# Altium PCB MainPCB.PcbDoc (part 3 of 3)
Units mil, origin at the board's own origin, x right, y up, seen from the top; angles counter-clockwise.
Board outline 3543.31 x 3543.31 mil, 2 copper layers (Top Layer, Bottom Layer); 134 components, 141 nets, 686 pads, 3686 vias.
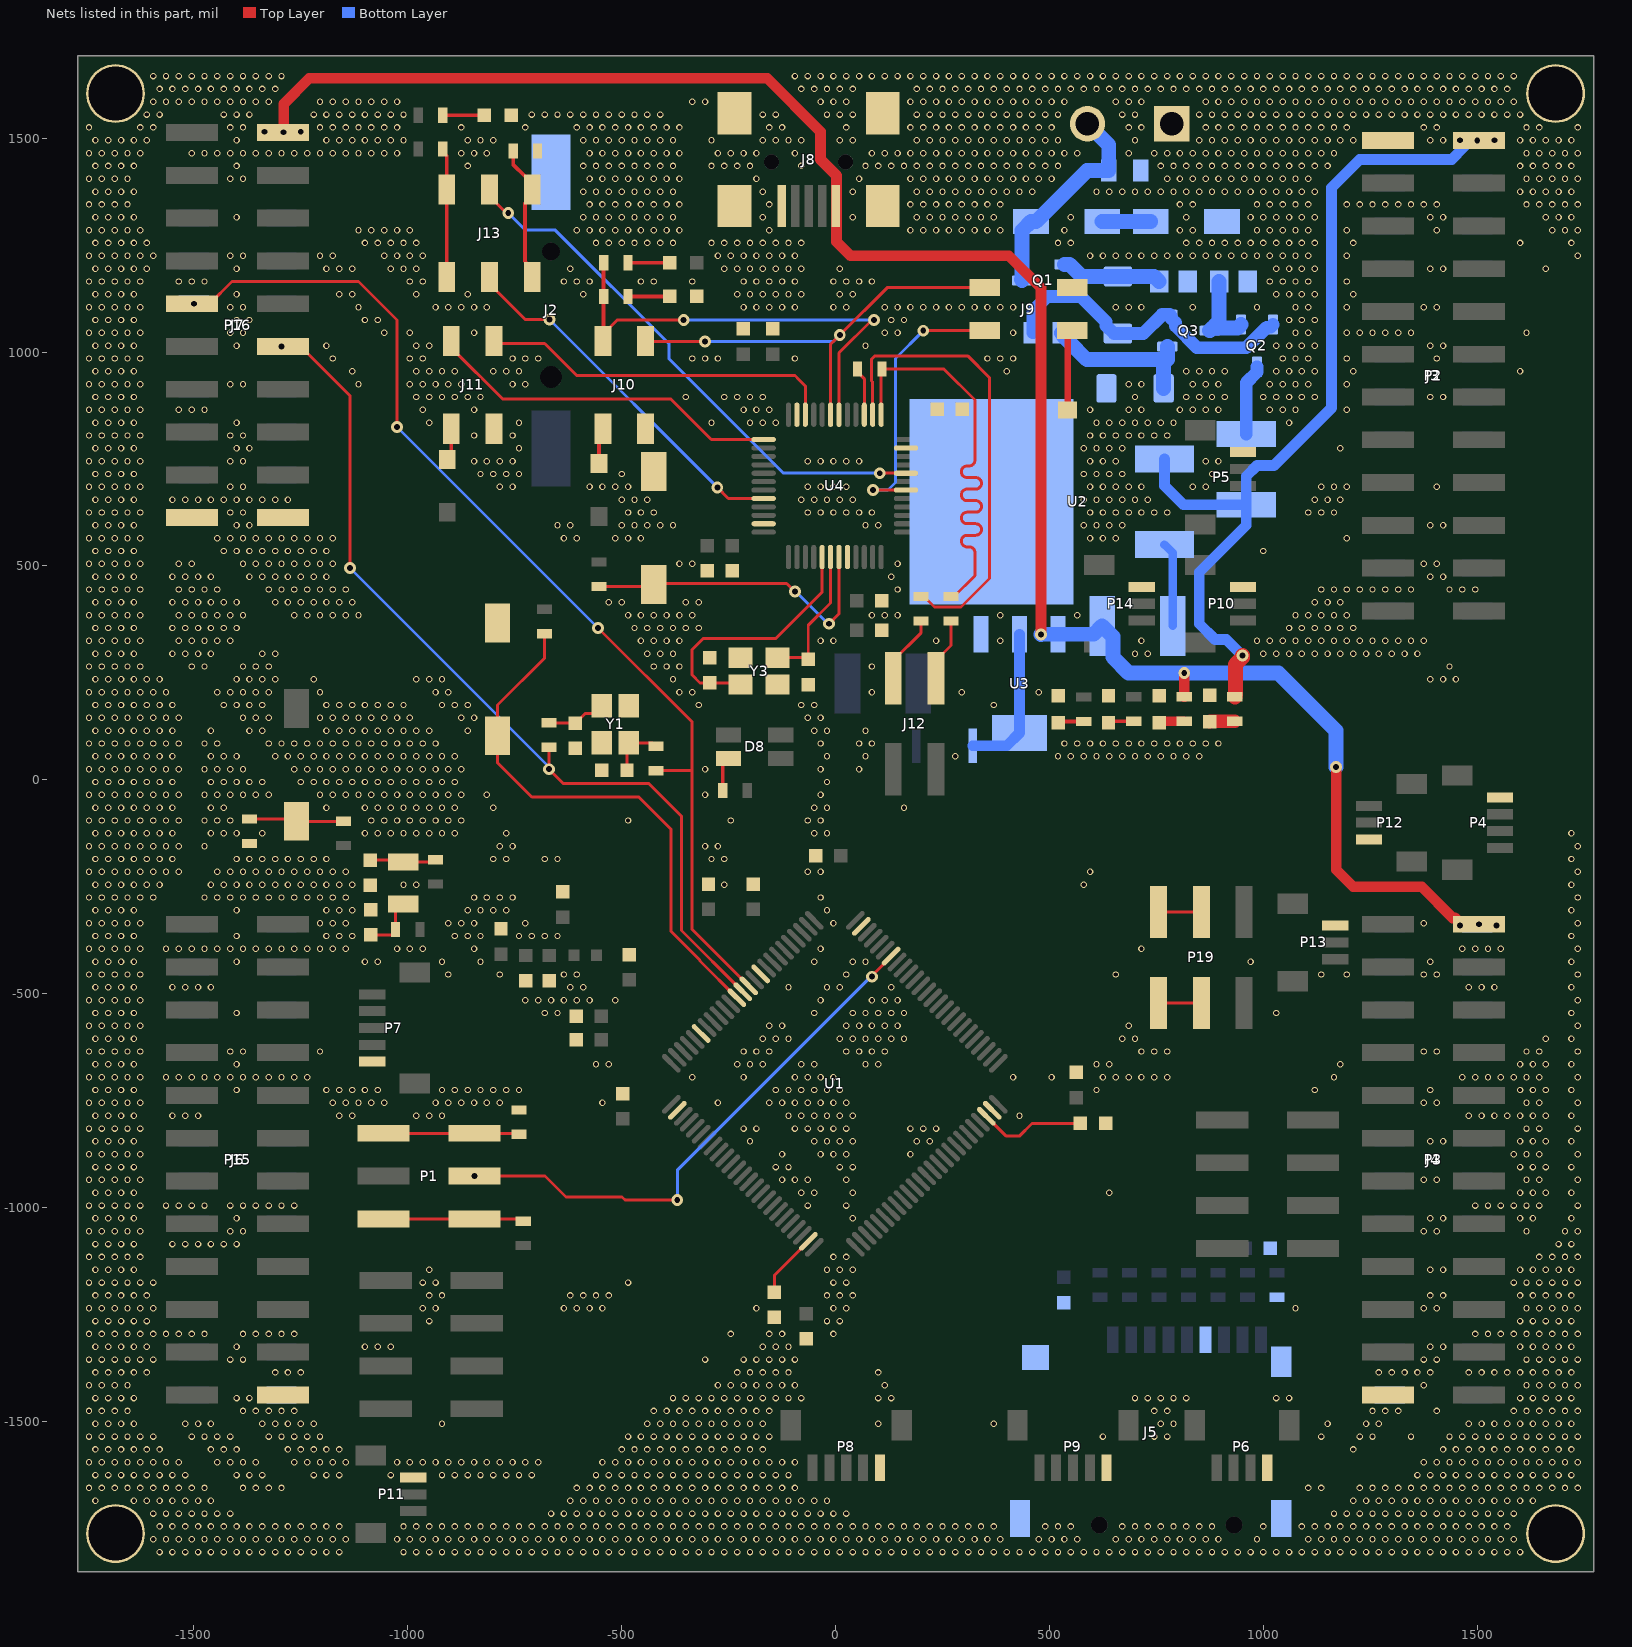
[diagram p3: the nets of this part, all layers, seen from the top]

## Via types
v1: diameter 15/15 (per signal layer), hole 10, Top Layer to Bottom Layer, tented both sides, 3436 vias
v2: diameter 27.56, hole 13.78, Top Layer to Bottom Layer, 250 vias

## Nets (pads, with @x,y where several pads share a name; then routed paths per layer and width w, separated by ;. In a path a pad name is that pad's centre, name@x,y a point inside that pad or via, vN(x,y) a via of type N, cw(c..) or ccw(c..) an arc to the next point about the centre after c; other vN are vias at no path point) (continued)
GND: C1.1 C2.1 C3.1 C4.1 C5.1 C6.1 C7.1 C8.1 C9.1 C10.1 C11.1 C12.1 C13.1 C14.1 C15.1 C16.1 C17.1 C18.1 C19.1 C20.1 C21.1 C22.1 C23.1 C24.1 C25.1 C26.1 C27.1 C28.1 C29.1 C30.1 C31.1 C32.1 D1.1 D4.C D5.A D6.1 D7.1 D9.1 D14.1 D15.1 J1.1 J2.N J3.23 J4.24 J5.6 J5.G1 J5.G2 J5.G3 J5.G4 J6.23 J7.19 J7.20 J8.5 J8.Shell J9.4 J10.4 J11.4 P2.24 P3.23 P4.4 P5.4 P6.4 P7.5 P8.5 P9.5 P10.3 P11.3 P12.3 P13.3 P14.3 P15.24 P16.19 P16.20 R3.1 R10.1 R12.1 R13.1 R22.1 R31.1 Scr1.1 Scr2.1 Scr3.1 Scr4.1 SW2.1 SW3.1 U1.10 U1.20 U1.27 U1.74 U1.99 U2.3 U3.1 U4.8 U4.23 U4.35 U4.47 Y1.2 Y1.4 Y3.2 Y3.4
  other v1: -1580,-1805 -1550,-1805 -1520,-1805 -1490,-1805 -1460,-1805 -1430,-1805 -1400,-1805 -1370,-1805 -1340,-1805 -1310,-1805 -1280,-1805 -1250,-1805 -1220,-1805 -1190,-1805 -1160,-1805 -1010,-1805 -980,-1805 -950,-1805 -920,-1805 -890,-1805 -860,-1805 -830,-1805 -800,-1805 -770,-1805 -740,-1805 -710,-1805 -680,-1805 -650,-1805 -620,-1805 -590,-1805 -560,-1805 -530,-1805 -500,-1805 -470,-1805 -440,-1805 -410,-1805 -380,-1805 -350,-1805 -320,-1805 -290,-1805 -260,-1805 -230,-1805 -200,-1805 -170,-1805 -140,-1805 -110,-1805 -80,-1805 -50,-1805 -20,-1805 10,-1805 40,-1805 70,-1805 100,-1805 130,-1805 160,-1805 190,-1805 220,-1805 250,-1805 280,-1805 310,-1805 340,-1805 370,-1805 400,-1805 430,-1805 460,-1805 490,-1805 520,-1805 550,-1805 580,-1805 610,-1805 640,-1805 670,-1805 700,-1805 730,-1805 760,-1805 790,-1805 820,-1805 850,-1805 880,-1805 910,-1805 940,-1805 970,-1805 1000,-1805 1030,-1805 1060,-1805 1090,-1805 1120,-1805 1150,-1805 1180,-1805 1210,-1805 1240,-1805 1270,-1805 1300,-1805 1330,-1805 1360,-1805 1390,-1805 1420,-1805 1450,-1805 1480,-1805 1510,-1805 1540,-1805 1570,-1805 1600,-1805 -1595,-1775 -1565,-1775 -1535,-1775 -1505,-1775 -1475,-1775 -1445,-1775 -1415,-1775 -1385,-1775 -1355,-1775 -1325,-1775 -1295,-1775 -1265,-1775 -1235,-1775 -1205,-1775 -1175,-1775 -1145,-1775 -1025,-1775 -995,-1775 -965,-1775 -935,-1775 -905,-1775 -875,-1775 -845,-1775 -815,-1775 -785,-1775 -755,-1775 -725,-1775 -695,-1775 -665,-1775 -635,-1775 -605,-1775 -575,-1775 -545,-1775 -515,-1775 -485,-1775 -455,-1775 -425,-1775 -395,-1775 -365,-1775 -335,-1775 -305,-1775 -275,-1775 -245,-1775 -215,-1775 -185,-1775 -155,-1775 -125,-1775 -95,-1775 -65,-1775 -35,-1775 -5,-1775 25,-1775 55,-1775 85,-1775 115,-1775 145,-1775 175,-1775 205,-1775 235,-1775 265,-1775 295,-1775 325,-1775 355,-1775 385,-1775 475,-1775 505,-1775 535,-1775 565,-1775 655,-1775 685,-1775 715,-1775 745,-1775 775,-1775 805,-1775 835,-1775 865,-1775 895,-1775 985,-1775 1105,-1775 1135,-1775 1165,-1775 1195,-1775 1225,-1775 1255,-1775 1285,-1775 1315,-1775 1345,-1775 1375,-1775 1405,-1775 1435,-1775 1465,-1775 1495,-1775 1525,-1775 1555,-1775 1585,-1775 -1580,-1745 -1550,-1745 -1520,-1745 -1490,-1745 -1460,-1745 -1430,-1745 -1400,-1745 -1370,-1745 -1340,-1745 -1310,-1745 -1280,-1745 -1250,-1745 -1220,-1745 -1190,-1745 -1160,-1745 -1010,-1745 -980,-1745 -950,-1745 -920,-1745 -890,-1745 -860,-1745 -830,-1745 -800,-1745 -770,-1745 -740,-1745 -710,-1745 -680,-1745 -650,-1745 -620,-1745 -590,-1745 -560,-1745 -530,-1745 -500,-1745 -470,-1745 -440,-1745 -410,-1745 -380,-1745 -350,-1745 -320,-1745 -290,-1745 -260,-1745 -230,-1745 -200,-1745 -170,-1745 -140,-1745 -110,-1745 -80,-1745 -50,-1745 -20,-1745 10,-1745 40,-1745 70,-1745 100,-1745 130,-1745 160,-1745 190,-1745 220,-1745 250,-1745 280,-1745 310,-1745 340,-1745 370,-1745 490,-1745 520,-1745 550,-1745 670,-1745 700,-1745 730,-1745 760,-1745 790,-1745 820,-1745 850,-1745 880,-1745 1000,-1745 1090,-1745 1120,-1745 1150,-1745 1180,-1745 1210,-1745 1240,-1745 1270,-1745 1300,-1745 1330,-1745 1360,-1745 1390,-1745 1420,-1745 1450,-1745 1480,-1745 1510,-1745 1540,-1745 1570,-1745 -1595,-1715 -1565,-1715 -1535,-1715 -1505,-1715 -1475,-1715 -1445,-1715 -1415,-1715 -665,-1715 -635,-1715 -605,-1715 -575,-1715 -545,-1715 -515,-1715 -485,-1715 -455,-1715 -425,-1715 -395,-1715 -365,-1715 -335,-1715 -305,-1715 -275,-1715 -245,-1715 -215,-1715 -185,-1715 -155,-1715 -125,-1715 -95,-1715 -65,-1715 -35,-1715 -5,-1715 25,-1715 1165,-1715 1195,-1715 1225,-1715 1255,-1715 1285,-1715 1315,-1715 1345,-1715 1375,-1715 1405,-1715 1435,-1715 1465,-1715 1495,-1715 1525,-1715 1555,-1715 1585,-1715 -1730,-1685 -1640,-1685 -1610,-1685 -1580,-1685 -1550,-1685 -1520,-1685 -1490,-1685 -1460,-1685 -620,-1685 -590,-1685 -560,-1685 -530,-1685 -500,-1685 -470,-1685 -440,-1685 -410,-1685 -380,-1685 -350,-1685 -320,-1685 -290,-1685 -260,-1685 -230,-1685 -200,-1685 -170,-1685 -140,-1685 -110,-1685 -80,-1685 -50,-1685 -20,-1685 1210,-1685 1240,-1685 1270,-1685 1300,-1685 1330,-1685 1360,-1685 1390,-1685 1420,-1685 1450,-1685 1480,-1685 1510,-1685 1540,-1685 1570,-1685 1600,-1685 1630,-1685 -1745,-1655 -1715,-1655 -1685,-1655 -1655,-1655 -1625,-1655 -1595,-1655 -1565,-1655 -1535,-1655 -1505,-1655 -1475,-1655 -1385,-1655 -1355,-1655 -1325,-1655 -1295,-1655 -605,-1655 -575,-1655 -545,-1655 -515,-1655 -485,-1655 -455,-1655 -425,-1655 -395,-1655 -365,-1655 -335,-1655 -305,-1655 -275,-1655 -245,-1655 -215,-1655 -185,-1655 -155,-1655 -125,-1655 -95,-1655 1105,-1655 1135,-1655 1225,-1655 1255,-1655 1285,-1655 1315,-1655 1345,-1655 1375,-1655 1405,-1655 1435,-1655 1465,-1655 1495,-1655 1525,-1655 1555,-1655 1585,-1655 1615,-1655 1645,-1655 1675,-1655 1705,-1655 1735,-1655 -1730,-1625 -1700,-1625 -1670,-1625 -1640,-1625 -1610,-1625 -1580,-1625 -1550,-1625 -1520,-1625 -1400,-1625 -1370,-1625 -1340,-1625 -1220,-1625 -1190,-1625 -1160,-1625 -1040,-1625 -920,-1625 -890,-1625 -860,-1625 -830,-1625 -800,-1625 -770,-1625 -740,-1625 -710,-1625 -560,-1625 -530,-1625 -500,-1625 -470,-1625 -440,-1625 -410,-1625 -380,-1625 -350,-1625 -320,-1625 -290,-1625 -260,-1625 -230,-1625 -200,-1625 -170,-1625 -140,-1625 -110,-1625 1360,-1625 1390,-1625 1420,-1625 1450,-1625 1480,-1625 1510,-1625 1540,-1625 1570,-1625 1600,-1625 1630,-1625 1660,-1625 1690,-1625 1720,-1625 -1745,-1595 -1715,-1595 -1685,-1595 -1655,-1595 -1625,-1595 -1595,-1595 -1565,-1595 -1535,-1595 -1445,-1595 -1415,-1595 -1385,-1595 -1355,-1595 -1265,-1595 -1235,-1595 -1205,-1595 -1175,-1595 -1145,-1595 -1025,-1595 -995,-1595 -965,-1595 -935,-1595 -905,-1595 -875,-1595 -845,-1595 -815,-1595 -785,-1595 -755,-1595 -725,-1595 -695,-1595 -545,-1595 -515,-1595 -485,-1595 -455,-1595 -425,-1595 -395,-1595 -365,-1595 -335,-1595 -305,-1595 -275,-1595 -245,-1595 -215,-1595 -185,-1595 -155,-1595 -125,-1595 -95,-1595 1375,-1595 1405,-1595 1435,-1595 1465,-1595 1495,-1595 1525,-1595 1555,-1595 1585,-1595 1615,-1595 1645,-1595 1675,-1595 1705,-1595 1735,-1595 -1730,-1565 -1700,-1565 -1670,-1565 -1640,-1565 -1610,-1565 -1580,-1565 -1460,-1565 -1430,-1565 -1400,-1565 -1280,-1565 -1250,-1565 -1220,-1565 -1190,-1565 -1160,-1565 -500,-1565 -470,-1565 -440,-1565 -410,-1565 -380,-1565 -350,-1565 -320,-1565 -290,-1565 -260,-1565 -230,-1565 -200,-1565 -170,-1565 1210,-1565 1420,-1565 1450,-1565 1480,-1565 1510,-1565 1540,-1565 1570,-1565 1600,-1565 1630,-1565 1660,-1565 1690,-1565 1720,-1565 -1745,-1535 -1715,-1535 -1685,-1535 -1655,-1535 -1625,-1535 -1595,-1535 -1505,-1535 -1475,-1535 -1445,-1535 -1415,-1535 -1325,-1535 -1295,-1535 -1265,-1535 -1235,-1535 -1205,-1535 -485,-1535 -455,-1535 -425,-1535 -395,-1535 -365,-1535 -335,-1535 -305,-1535 -275,-1535 -245,-1535 -215,-1535 -185,-1535 -155,-1535 625,-1535 745,-1535 775,-1535 1135,-1535 1225,-1535 1255,-1535 1345,-1535 1435,-1535 1465,-1535 1495,-1535 1525,-1535 1555,-1535 1585,-1535 1615,-1535 1645,-1535 1675,-1535 1705,-1535 1735,-1535 -1730,-1505 -1700,-1505 -1670,-1505 -1640,-1505 -1520,-1505 -1490,-1505 -1460,-1505 -1340,-1505 -1310,-1505 -1280,-1505 -1250,-1505 -1220,-1505 -920,-1505 -440,-1505 -410,-1505 -380,-1505 -350,-1505 -320,-1505 -290,-1505 -260,-1505 -230,-1505 -200,-1505 -170,-1505 100,-1505 370,-1505 760,-1505 790,-1505 1150,-1505 1240,-1505 1270,-1505 1480,-1505 1510,-1505 1540,-1505 1570,-1505 1600,-1505 1630,-1505 1660,-1505 1690,-1505 1720,-1505 -1745,-1475 -1715,-1475 -1685,-1475 -1655,-1475 -1385,-1475 -1355,-1475 -1325,-1475 -1295,-1475 -1265,-1475 -425,-1475 -395,-1475 -365,-1475 -335,-1475 -305,-1475 -275,-1475 -245,-1475 -215,-1475 -185,-1475 -155,-1475 745,-1475 775,-1475 1255,-1475 1285,-1475 1315,-1475 1405,-1475 1585,-1475 1615,-1475 1645,-1475 1675,-1475 1705,-1475 1735,-1475 -1730,-1445 -1700,-1445 -1670,-1445 -1640,-1445 -1400,-1445 -1370,-1445 -380,-1445 -350,-1445 -320,-1445 -290,-1445 -260,-1445 -230,-1445 -200,-1445 -170,-1445 -140,-1445 -110,-1445 -80,-1445 100,-1445 130,-1445 700,-1445 730,-1445 760,-1445 790,-1445 820,-1445 1030,-1445 1060,-1445 1600,-1445 1630,-1445 1660,-1445 1690,-1445 1720,-1445 -1745,-1415 -1715,-1415 -1685,-1415 -1655,-1415 -275,-1415 -245,-1415 -215,-1415 -185,-1415 -155,-1415 -125,-1415 -95,-1415 115,-1415 1375,-1415 1615,-1415 1645,-1415 1675,-1415 1705,-1415 1735,-1415 -1730,-1385 -1700,-1385 -1670,-1385 -1640,-1385 -1610,-1385 -1310,-1385 -1280,-1385 -1250,-1385 -230,-1385 -200,-1385 -170,-1385 -140,-1385 -110,-1385 100,-1385 1270,-1385 1300,-1385 1330,-1385 1360,-1385 1390,-1385 1480,-1385 1510,-1385 1540,-1385 1570,-1385 1600,-1385 1630,-1385 1660,-1385 1690,-1385 1720,-1385 -1745,-1355 -1715,-1355 -1685,-1355 -1655,-1355 -1625,-1355 -1595,-1355 -1415,-1355 -1385,-1355 -305,-1355 -215,-1355 -185,-1355 -155,-1355 -125,-1355 -95,-1355 1375,-1355 1405,-1355 1615,-1355 1645,-1355 1675,-1355 1705,-1355 1735,-1355 -1730,-1325 -1700,-1325 -1670,-1325 -1640,-1325 -1610,-1325 -1400,-1325 -1100,-1325 -1070,-1325 -1040,-1325 -170,-1325 -140,-1325 -110,-1325 1390,-1325 1420,-1325 1600,-1325 1630,-1325 1660,-1325 1690,-1325 1720,-1325 -1745,-1295 -1715,-1295 -1685,-1295 -1655,-1295 -1625,-1295 -1595,-1295 -1565,-1295 -1535,-1295 -1505,-1295 -1475,-1295 -1385,-1295 -1355,-1295 -1325,-1295 -1295,-1295 -1265,-1295 -245,-1295 -155,-1295 -125,-1295 -5,-1295 1495,-1295 1525,-1295 1555,-1295 1585,-1295 1615,-1295 1645,-1295 1675,-1295 1705,-1295 1735,-1295 -1730,-1265 -1700,-1265 -1670,-1265 -1640,-1265 -1610,-1265 -950,-1265 -20,-1265 10,-1265 1600,-1265 1630,-1265 1660,-1265 1690,-1265 1720,-1265 -1745,-1235 -1715,-1235 -1685,-1235 -1655,-1235 -1625,-1235 -1595,-1235 -965,-1235 -935,-1235 -635,-1235 -605,-1235 -575,-1235 -545,-1235 -185,-1235 -5,-1235 25,-1235 1075,-1235 1375,-1235 1405,-1235 1615,-1235 1645,-1235 1675,-1235 1705,-1235 1735,-1235 -1730,-1205 -1700,-1205 -1670,-1205 -1640,-1205 -1610,-1205 -950,-1205 -920,-1205 -620,-1205 -590,-1205 -560,-1205 -530,-1205 -20,-1205 10,-1205 40,-1205 1390,-1205 1420,-1205 1600,-1205 1630,-1205 1660,-1205 1690,-1205 1720,-1205 -1745,-1175 -1715,-1175 -1685,-1175 -1655,-1175 -1625,-1175 -1595,-1175 -965,-1175 -935,-1175 -485,-1175 -5,-1175 25,-1175 1585,-1175 1615,-1175 1645,-1175 1675,-1175 1705,-1175 1735,-1175 -1730,-1145 -1700,-1145 -1670,-1145 -1640,-1145 -950,-1145 -20,-1145 10,-1145 40,-1145 1390,-1145 1420,-1145 1600,-1145 1630,-1145 1660,-1145 1690,-1145 1720,-1145 -1745,-1115 -1715,-1115 -1685,-1115 -1655,-1115 -1625,-1115 -5,-1115 25,-1115 1645,-1115 1675,-1115 1705,-1115 1735,-1115 -1730,-1085 -1700,-1085 -1670,-1085 -1640,-1085 -1550,-1085 -1520,-1085 -1490,-1085 -1460,-1085 -1430,-1085 -1400,-1085 1690,-1085 1720,-1085 -1745,-1055 -1715,-1055 -1685,-1055 -1655,-1055 -1625,-1055 -1415,-1055 -1385,-1055 1375,-1055 1405,-1055 1615,-1055 1705,-1055 1735,-1055 -1730,-1025 -1700,-1025 -1670,-1025 -1640,-1025 -1400,-1025 40,-1025 1390,-1025 1420,-1025 1600,-1025 1630,-1025 1720,-1025 -1745,-995 -1715,-995 -1685,-995 -1655,-995 -1625,-995 -1565,-995 -1535,-995 -1505,-995 -1475,-995 -1415,-995 -1385,-995 -1355,-995 -1325,-995 -1295,-995 -1265,-995 -65,-995 25,-995 1495,-995 1525,-995 1555,-995 1585,-995 1615,-995 1645,-995 1735,-995 -1730,-965 -1700,-965 -1670,-965 -1640,-965 -80,-965 -50,-965 40,-965 640,-965 1600,-965 1630,-965 1660,-965 1720,-965 -1745,-935 -1715,-935 -1685,-935 -1655,-935 -1625,-935 -125,-935 -95,-935 -65,-935 25,-935 1375,-935 1405,-935 1615,-935 1645,-935 1735,-935 -1730,-905 -1700,-905 -1670,-905 -1640,-905 -140,-905 -110,-905 10,-905 40,-905 1600,-905 1630,-905 1660,-905 1720,-905 -1745,-875 -1715,-875 -1685,-875 -1655,-875 -1625,-875 -125,-875 -35,-875 -5,-875 25,-875 175,-875 1585,-875 1615,-875 1645,-875 1735,-875 -1730,-845 -1700,-845 -1670,-845 -1640,-845 -200,-845 -50,-845 -20,-845 10,-845 40,-845 190,-845 220,-845 1390,-845 1420,-845 1600,-845 1630,-845 1660,-845 1720,-845 -1745,-815 -1715,-815 -1685,-815 -1655,-815 -1625,-815 -215,-815 -185,-815 -95,-815 -65,-815 -35,-815 -5,-815 25,-815 175,-815 205,-815 235,-815 1615,-815 1645,-815 1735,-815 -1730,-785 -1700,-785 -1670,-785 -1640,-785 -1550,-785 -1520,-785 -1490,-785 -1160,-785 -1130,-785 -980,-785 -950,-785 -920,-785 -110,-785 -80,-785 -50,-785 -20,-785 10,-785 40,-785 430,-785 1480,-785 1510,-785 1540,-785 1570,-785 1600,-785 1630,-785 1660,-785 1720,-785 -1745,-755 -1715,-755 -1685,-755 -1655,-755 -1625,-755 -1175,-755 -1145,-755 -1115,-755 -1085,-755 -1055,-755 -935,-755 -905,-755 -875,-755 -845,-755 -815,-755 -785,-755 -545,-755 -275,-755 -155,-755 -125,-755 -95,-755 -65,-755 -35,-755 -5,-755 25,-755 1375,-755 1405,-755 1615,-755 1645,-755 1735,-755 -1730,-725 -1700,-725 -1670,-725 -1640,-725 -1400,-725 -1190,-725 -1160,-725 -1130,-725 -1100,-725 -1070,-725 -920,-725 -890,-725 -860,-725 -830,-725 -800,-725 -770,-725 -740,-725 -140,-725 -110,-725 -80,-725 -50,-725 -20,-725 10,-725 610,-725 1120,-725 1390,-725 1600,-725 1630,-725 1660,-725 1720,-725 -1745,-695 -1715,-695 -1685,-695 -1655,-695 -1625,-695 -1565,-695 -1535,-695 -1505,-695 -1475,-695 -1445,-695 -1415,-695 -1385,-695 -1355,-695 -1325,-695 -1295,-695 -1265,-695 -1235,-695 -335,-695 -215,-695 -95,-695 -65,-695 -35,-695 -5,-695 415,-695 505,-695 625,-695 655,-695 685,-695 715,-695 745,-695 775,-695 1165,-695 1465,-695 1495,-695 1525,-695 1555,-695 1585,-695 1615,-695 1645,-695 1735,-695 -1730,-665 -1700,-665 -1670,-665 -1640,-665 -1400,-665 -560,-665 -530,-665 -230,-665 -200,-665 -170,-665 -80,-665 -50,-665 70,-665 100,-665 610,-665 640,-665 1180,-665 1600,-665 1630,-665 1660,-665 1720,-665 -1745,-635 -1715,-635 -1685,-635 -1655,-635 -1625,-635 -1415,-635 -1385,-635 -1205,-635 -215,-635 -185,-635 -155,-635 25,-635 55,-635 85,-635 115,-635 715,-635 745,-635 775,-635 1375,-635 1405,-635 1615,-635 1645,-635 1735,-635 -1730,-605 -1700,-605 -1670,-605 -1640,-605 -170,-605 -140,-605 -110,-605 10,-605 40,-605 70,-605 100,-605 130,-605 160,-605 670,-605 700,-605 1660,-605 1720,-605 -1745,-575 -1715,-575 -1685,-575 -1655,-575 -1625,-575 -155,-575 -125,-575 25,-575 55,-575 85,-575 115,-575 145,-575 685,-575 1735,-575 -1730,-545 -1700,-545 -1670,-545 -1640,-545 -1400,-545 -680,-545 -650,-545 -50,-545 40,-545 70,-545 100,-545 130,-545 160,-545 1030,-545 1720,-545 -1745,-515 -1715,-515 -1685,-515 -1655,-515 -1625,-515 -725,-515 -695,-515 -665,-515 -635,-515 -605,-515 -575,-515 -515,-515 -35,-515 85,-515 115,-515 145,-515 1735,-515 -1730,-485 -1700,-485 -1670,-485 -1640,-485 -1550,-485 -1520,-485 -1490,-485 -1460,-485 -620,-485 -590,-485 -110,-485 -20,-485 10,-485 130,-485 1480,-485 1510,-485 1540,-485 1720,-485 -1745,-455 -1715,-455 -1685,-455 -1655,-455 -1625,-455 -905,-455 -785,-455 -635,-455 -605,-455 25,-455 655,-455 1135,-455 1195,-455 1375,-455 1405,-455 1735,-455 -1730,-425 -1700,-425 -1670,-425 -1640,-425 -1400,-425 -1100,-425 -1070,-425 -920,-425 -830,-425 -50,-425 40,-425 70,-425 970,-425 1390,-425 1720,-425 -1745,-395 -1715,-395 -1685,-395 -1655,-395 -1625,-395 -1565,-395 -1535,-395 -1505,-395 -1475,-395 -1445,-395 -1415,-395 -1385,-395 -1355,-395 -1325,-395 -1295,-395 -1265,-395 -1235,-395 -1205,-395 -1175,-395 -1145,-395 -1025,-395 -995,-395 -965,-395 -845,-395 -35,-395 715,-395 1465,-395 1495,-395 1525,-395 1555,-395 1735,-395 -1730,-365 -1700,-365 -1670,-365 -1640,-365 -1400,-365 -1190,-365 -1160,-365 -1130,-365 -890,-365 -860,-365 -830,-365 -740,-365 -710,-365 -680,-365 -650,-365 1720,-365 -1745,-335 -1715,-335 -1685,-335 -1655,-335 -1625,-335 -1205,-335 -1175,-335 -1145,-335 -905,-335 -875,-335 -845,-335 -725,-335 -5,-335 1375,-335 1735,-335 -1730,-305 -1700,-305 -1670,-305 -1640,-305 -1400,-305 -1190,-305 -1160,-305 -1130,-305 -860,-305 -830,-305 -800,-305 -770,-305 -20,-305 1720,-305 -1745,-275 -1715,-275 -1685,-275 -1655,-275 -1625,-275 -1595,-275 -1475,-275 -1445,-275 -1415,-275 -1385,-275 -1355,-275 -1325,-275 -1295,-275 -1265,-275 -1235,-275 -1205,-275 -1175,-275 -1145,-275 -845,-275 -815,-275 -785,-275 -755,-275 -35,-275 1735,-275 -1730,-245 -1700,-245 -1670,-245 -1640,-245 -1610,-245 -1580,-245 -1460,-245 -1430,-245 -1400,-245 -1370,-245 -1340,-245 -1310,-245 -1280,-245 -1250,-245 -1220,-245 -1190,-245 -1160,-245 -1130,-245 -1010,-245 -980,-245 -260,-245 580,-245 1720,-245 -1745,-215 -1715,-215 -1685,-215 -1655,-215 -1625,-215 -1595,-215 -1565,-215 -1535,-215 -1445,-215 -1415,-215 -1385,-215 -1355,-215 -1325,-215 -1295,-215 -1265,-215 -1235,-215 -1205,-215 -1175,-215 -1145,-215 -65,-215 -35,-215 595,-215 1735,-215 -1730,-185 -1700,-185 -1670,-185 -1640,-185 -1610,-185 -1580,-185 -1550,-185 -1400,-185 -1370,-185 -1340,-185 -1310,-185 -1280,-185 -1250,-185 -1220,-185 -1190,-185 -800,-185 -770,-185 -680,-185 -650,-185 -290,-185 -260,-185 1720,-185 -1745,-155 -1715,-155 -1685,-155 -1655,-155 -1625,-155 -1595,-155 -1565,-155 -1535,-155 -1475,-155 -785,-155 -755,-155 -305,-155 -275,-155 1735,-155 -1730,-125 -1700,-125 -1670,-125 -1640,-125 -1610,-125 -1580,-125 -1550,-125 -1460,-125 -1430,-125 -1400,-125 -1340,-125 -1100,-125 -1070,-125 -1040,-125 -1010,-125 -980,-125 -950,-125 -920,-125 -890,-125 -770,-125 -50,-125 -20,-125 1720,-125 -1745,-95 -1715,-95 -1685,-95 -1655,-95 -1625,-95 -1595,-95 -1565,-95 -1535,-95 -1475,-95 -1445,-95 -1415,-95 -1085,-95 -1055,-95 -1025,-95 -995,-95 -965,-95 -935,-95 -905,-95 -875,-95 -485,-95 -245,-95 -65,-95 -35,-95 -1730,-65 -1700,-65 -1670,-65 -1640,-65 -1610,-65 -1580,-65 -1550,-65 -1460,-65 -1430,-65 -1190,-65 -1100,-65 -1070,-65 -1040,-65 -1010,-65 -980,-65 -950,-65 -920,-65 -890,-65 -800,-65 -50,-65 -20,-65 160,-65 -1745,-35 -1715,-35 -1685,-35 -1655,-35 -1625,-35 -1595,-35 -1565,-35 -1535,-35 -1475,-35 -1445,-35 -1415,-35 -1385,-35 -1355,-35 -1325,-35 -1205,-35 -1175,-35 -1145,-35 -1115,-35 -1085,-35 -1055,-35 -1025,-35 -995,-35 -965,-35 -935,-35 -905,-35 -875,-35 -815,-35 -305,-35 -35,-35 -1730,-5 -1700,-5 -1670,-5 -1640,-5 -1610,-5 -1580,-5 -1550,-5 -1460,-5 -1430,-5 -1400,-5 -1370,-5 -1340,-5 -1250,-5 -1220,-5 -1190,-5 -1160,-5 -1130,-5 -1100,-5 -1070,-5 -1040,-5 -1010,-5 -980,-5 -950,-5 -920,-5 -890,-5 -20,-5 -1745,25 -1715,25 -1685,25 -1655,25 -1625,25 -1595,25 -1565,25 -1535,25 -1475,25 -1445,25 -1415,25 -1385,25 -1265,25 -1235,25 -1205,25 -1175,25 -1145,25 -1115,25 -1085,25 -1055,25 -1025,25 -995,25 -965,25 -935,25 -905,25 -875,25 -305,25 -35,25 55,25 -1730,55 -1700,55 -1670,55 -1640,55 -1610,55 -1580,55 -1550,55 -1460,55 -1430,55 -1400,55 -1310,55 -1280,55 -1250,55 -1220,55 -1190,55 -1160,55 -1130,55 -1100,55 -1070,55 -1040,55 -1010,55 -980,55 -950,55 -920,55 -890,55 -20,55 70,55 280,55 520,55 550,55 580,55 610,55 640,55 670,55 700,55 730,55 760,55 790,55 820,55 850,55 -1745,85 -1715,85 -1685,85 -1655,85 -1625,85 -1595,85 -1565,85 -1535,85 -1475,85 -1445,85 -1325,85 -1295,85 -1265,85 -1235,85 -1205,85 -1175,85 -1145,85 -1115,85 -1085,85 -1055,85 -1025,85 -995,85 -965,85 -935,85 -35,85 55,85 85,85 535,85 565,85 595,85 625,85 655,85 685,85 715,85 745,85 775,85 805,85 835,85 865,85 895,85 -1730,115 -1700,115 -1670,115 -1640,115 -1610,115 -1580,115 -1550,115 -1460,115 -1370,115 -1340,115 -1190,115 -1160,115 -1130,115 -1100,115 -1070,115 -1040,115 -1010,115 -980,115 -950,115 -860,115 -50,115 -20,115 70,115 -1745,145 -1715,145 -1685,145 -1655,145 -1625,145 -1595,145 -1565,145 -1535,145 -1385,145 -1355,145 -1325,145 -1205,145 -1175,145 -1145,145 -1115,145 -1085,145 -1055,145 -1025,145 -995,145 -875,145 -845,145 -65,145 -35,145 -1730,175 -1700,175 -1670,175 -1640,175 -1610,175 -1580,175 -1550,175 -1430,175 -1400,175 -1370,175 -1340,175 -1190,175 -1160,175 -1130,175 -1100,175 -1070,175 -1040,175 -1010,175 -920,175 -890,175 -860,175 -320,175 -80,175 -50,175 370,175 -1745,205 -1715,205 -1685,205 -1655,205 -1625,205 -1595,205 -1565,205 -1445,205 -1415,205 -1385,205 -1355,205 -1325,205 -1205,205 -935,205 -905,205 -365,205 -335,205 85,205 295,205 475,205 -1730,235 -1700,235 -1670,235 -1640,235 -1610,235 -1580,235 -1400,235 -1370,235 -1340,235 -1310,235 -1220,235 -980,235 -950,235 -920,235 -380,235 1390,235 1420,235 1450,235 -1745,265 -1715,265 -1685,265 -1655,265 -1625,265 -1505,265 -1475,265 -1385,265 -1355,265 -1325,265 -425,265 -395,265 -365,265 85,265 1435,265 -1730,295 -1700,295 -1670,295 -1640,295 